# Altium PCB 电磁阀V4.0.PcbDoc (part 1 of 2) (continued)
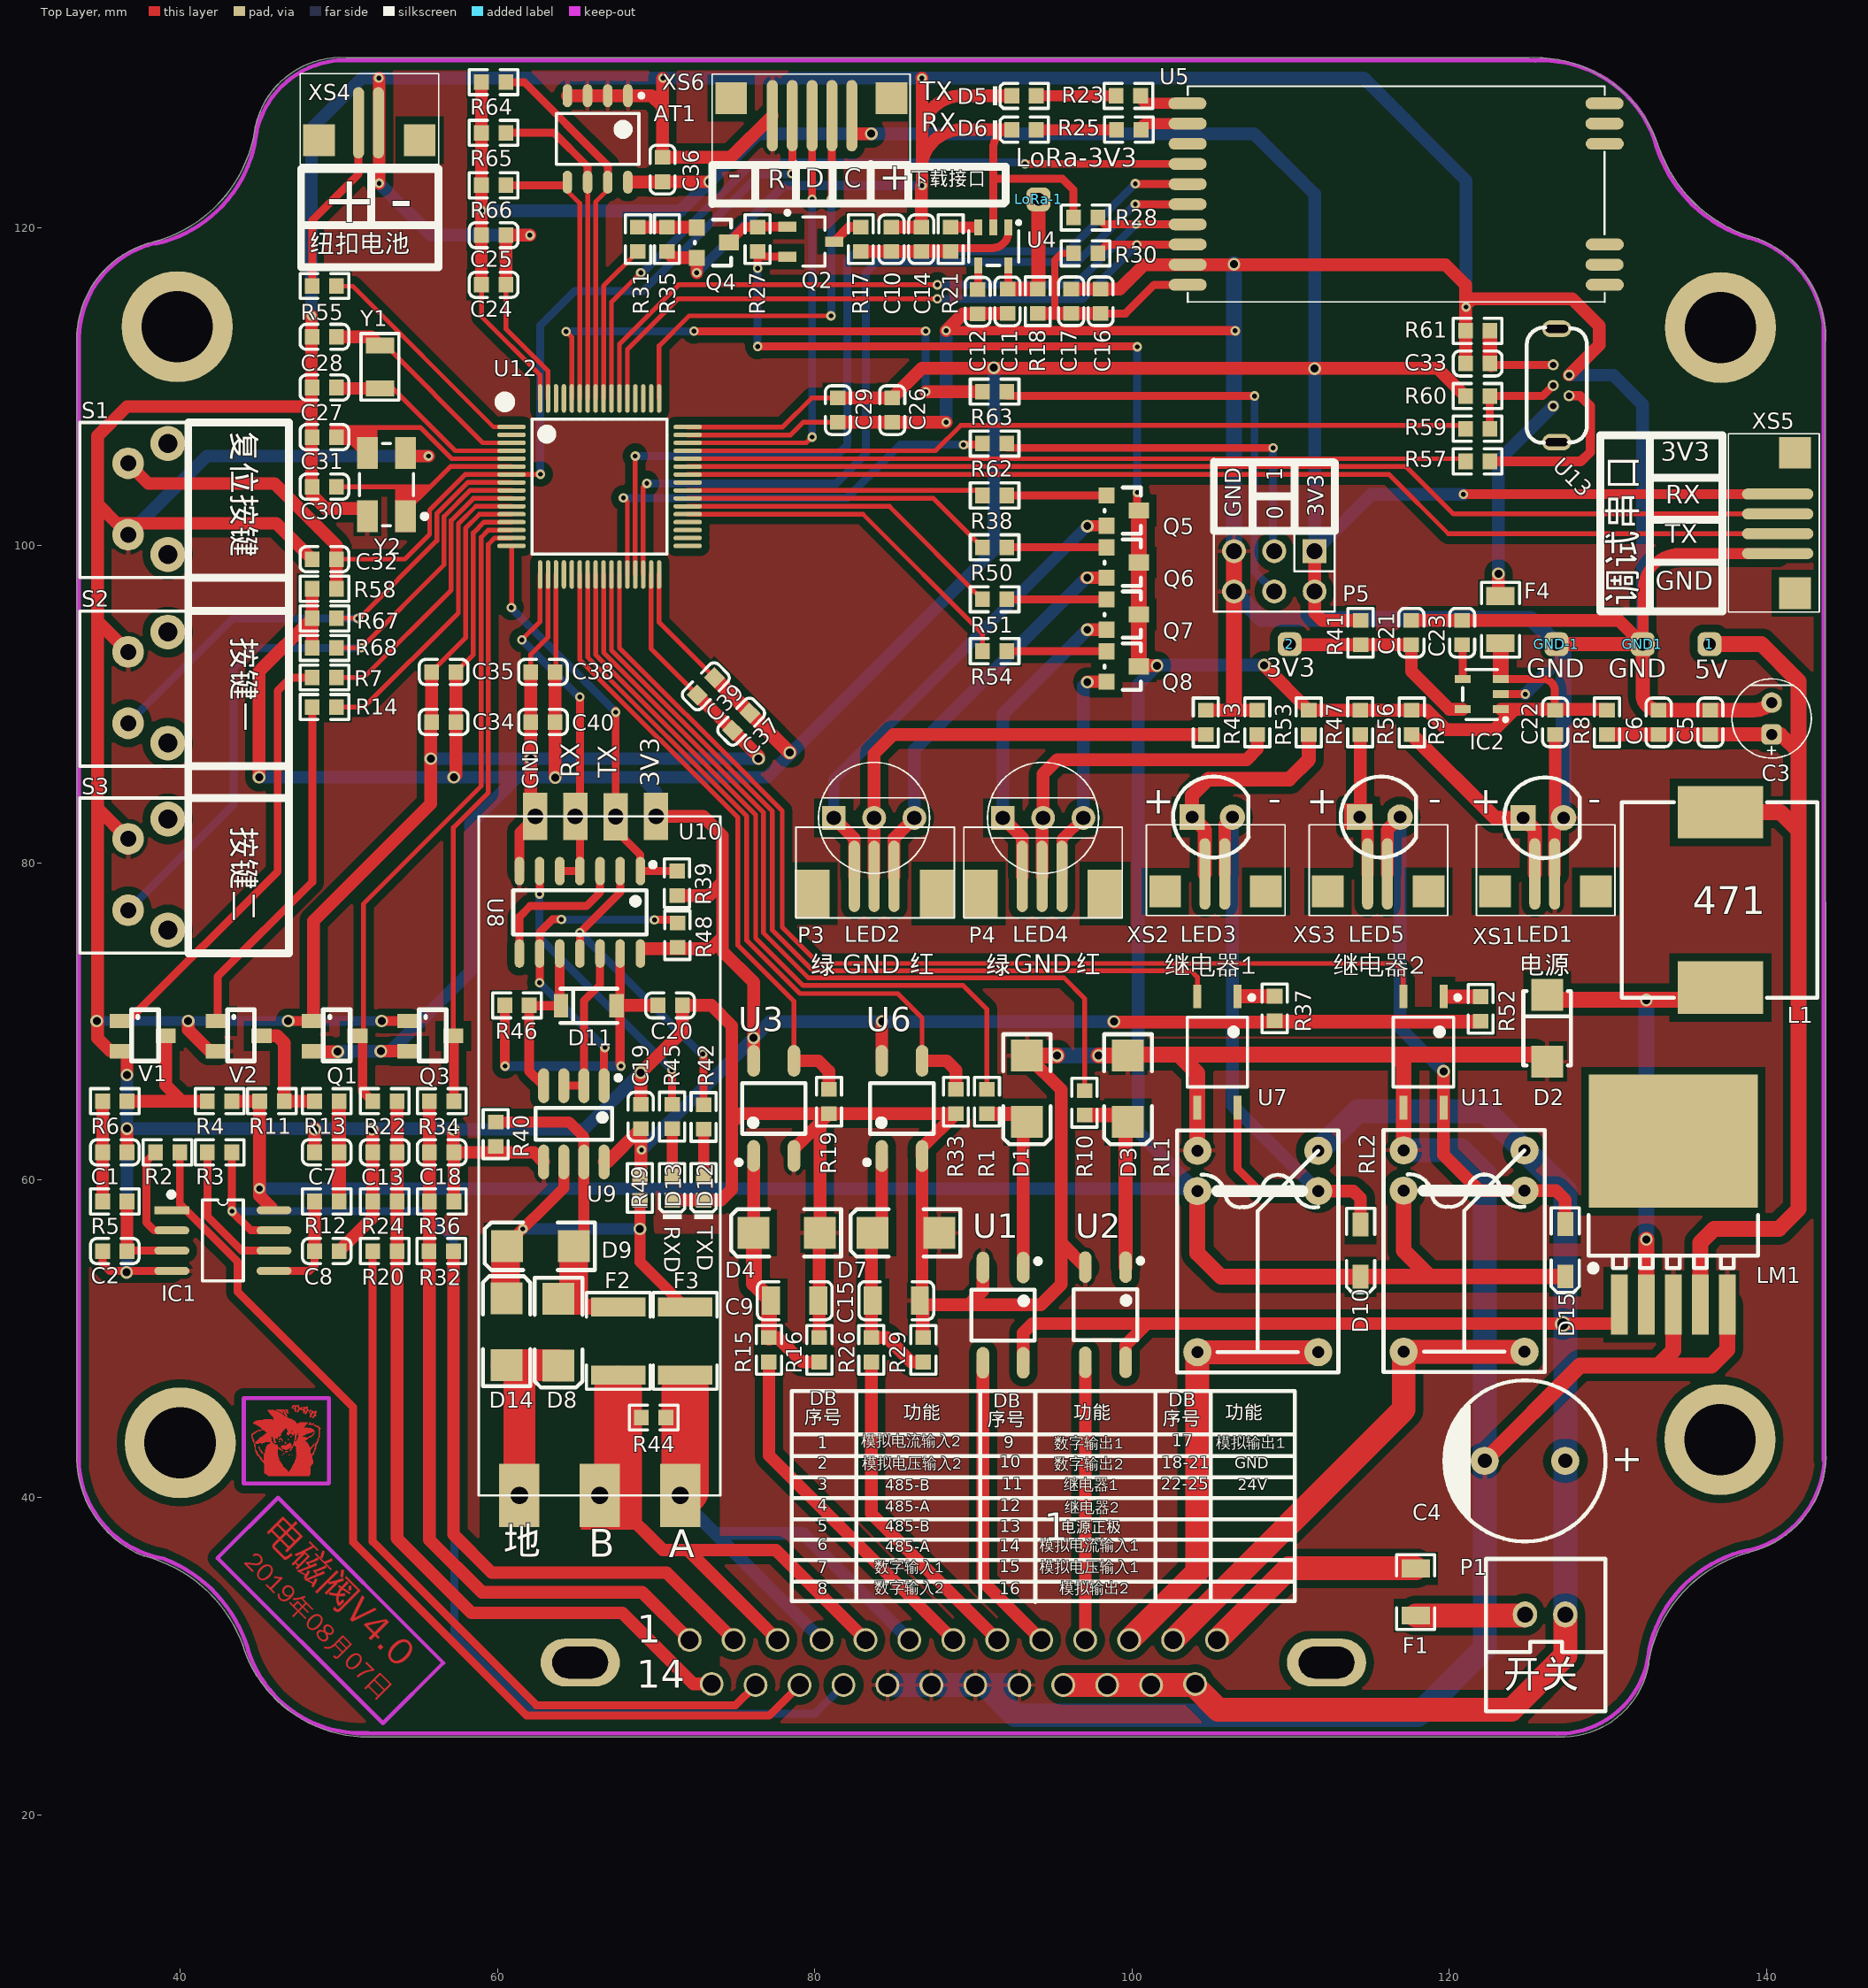
[diagram p0: Top Layer view]
## Footprints (in the part's own frame and the unit in brackets; to place one, negate y for a bottom-side part, rotate by r counter-clockwise, add the part's x,y. Pads: shape width x height; smd on the part's side, far side on the other; paste and mask are expansions set on the pad)
2Pin-2.54A [mil]
  oval 60x65 hole 39.37: 1(0,0) 2(-100.1,0)
  silkscreen extent -200,-138 97,93, body extent -198,-142 98,94, height 276
201S2X3 [mm]
  rect 1.5x1.5 hole 1: 1(0,0)
  round 1.5 hole 1: 2(0,2.54) 3(2.54,0) 4(2.54,2.54) 5(5.08,0) 6(5.08,2.54)
  silkscreen extent -1.27,-1.27 6.35,3.81, body extent -1.27,-1.23 6.35,3.77, height 8.4
3215_32.768K [mm]
  rect 1x1.8 smd: 1(-1.346,0) 2(1.346,0)
  silkscreen extent -2.08,-1.19 2.11,1.19, body extent -1.53,-0.71 1.67,0.79, height 0.86
AT24C02 [mm]
  oval 1.45x0.6 smd: 1(-2.725,1.905) 2(-2.725,0.635) 3(-2.725,-0.635) 4(-2.725,-1.905) 5(2.725,-1.905) 6(2.725,-0.635) 7(2.725,0.635) 8(2.725,1.905)
  silkscreen extent -2.85,-2.6 1.6,2.88, body extent -2,-2.6 2,2.6, height 2.65
C10X16 [mil]
  round 70 hole 35: 1(0,1) 2(-200,1)
  silkscreen extent -300,-199 100,201, body extent -297,-198 97,196, height 709
C-0603 [mm]
  rect 0.93x0.98 smd: 1(-0.77,0) 2(0.77,0)
  silkscreen extent -1.53,-0.79 1.54,0.79, body extent -0.8,-0.4 0.8,0.4, height 0.3
CAP5*X [mm]
  rrect50% 1.3x1.3 hole 0.7: 1(0,0)
  round 1.3 hole 0.7: 2(2,0)
  silkscreen extent -1.5,-2.5 3.5,2.5, body extent -1.52,-2.44 3.48,2.54, height 10.06
DB25 [mm] "DR"
  oval 5x3 hole 2 slot 3.5 at 0 deg: 0(0,0) 0(47.04,0)
  round 1.5 hole 1.15: 1(40.14,1.42) 2(37.37,1.42) 3(34.6,1.42) 4(31.83,1.42) 5(29.06,1.42) 6(26.29,1.42) 7(23.52,1.42) 8(20.75,1.42) 9(17.98,1.42) 10(15.21,1.42) 11(12.44,1.42) 12(9.67,1.42) 13(6.9,1.42) 14(38.755,-1.354) 15(35.985,-1.42) 16(33.215,-1.42) 17(30.445,-1.42) 18(27.675,-1.42) 19(24.905,-1.42) 20(22.135,-1.42) 21(19.365,-1.42) 22(16.595,-1.42) 23(13.825,-1.42) 24(11.055,-1.42) 25(8.285,-1.357)
  silkscreen extent -3.04,-16.96 50.06,3.24
DO-214AC [mm]
  rect 2x2 smd: 1(-2.049,0) 2(2.151,0)
  silkscreen extent -3.38,-1.5 3.55,1.5, body extent -2.25,-1.35 2.35,1.35, height 2.4
FUSE-1206 [mm]
  rect 1.13x1.8 smd: 1(-1.49,0) 2(1.49,0)
  silkscreen extent -2.36,-1.2 2.35,1.2, body extent -1.58,-0.83 1.63,0.83, height 0.56
HK4100F-DC5V-SHG [mil]
  round 70 hole 30: 1(0,0) 2(100,0) 3(500,0) 4(500,300) 5(100,300) 6(0,300)
  silkscreen extent -50,-50 550,350, body extent -52,-56 554,354, height 465
JXT-2 [mm] "1.27"
  rect 2x2 smd: 0(1.1,3.85) 0(1.1,-2.5)
  oval 4.5x0.7 smd: 1(0,1.25) 2(0,0)
  silkscreen extent -3.1,-3.68 2.62,5.05, body extent -1.86,-3.26 2.84,4.53, height 3.35
JXT-3-l [mm] "1.27"
  rect 3x2.2 smd: 0(1.092,5.217) 0(1.092,-2.652)
  oval 4.5x0.7 smd: 1(0,2.5) 2(0,1.25) 3(0,0)
  silkscreen extent -3.1,-3.68 2.62,6.3, body extent -1.79,-3.21 2.41,5.69, height 4.7
JXT-4 [mm]
  rect 2x2 smd: 0(1.1,-2.5) 0(1.1,6.35)
  oval 4.5x0.7 smd: 1(0,3.75) 2(0,2.5) 3(0,1.25) 4(0,0)
  silkscreen extent -3.1,-3.68 2.62,7.55, body extent -2.08,-3.27 2.62,7.02, height 3.35
JXT-5 [mm]
  rect 2x2 smd: 0(1.1,7.6) 0(1.1,-2.5)
  oval 4.5x0.7 smd: 1(0,5) 2(0,3.75) 3(0,2.5) 4(0,1.25) 5(0,0)
  silkscreen extent -3.1,-3.68 2.62,8.8, body extent -2.01,-3.26 2.69,8.28, height 3.35
KEY-7.0*7.0 [mm]
  round 2.2 hole 1.2: 0(-3.5,-1.25) 0(3.5,-1.25)
  round 2 hole 1: 1(-2.25,1.25) 2(2.25,1.25)
  silkscreen extent -4.95,-2.54 4.83,4.29
LC-0603_C [mm]
  rect 0.93x0.98 smd: 1(-0.77,0) 2(0.77,0)
  silkscreen extent -1.53,-0.79 1.54,0.79, body extent -0.8,-0.4 0.8,0.4, height 0.3
LC-0603_LED_S1 [mm]
  rect 0.93x0.98 smd: A(0.77,0) K(-0.77,0)
  silkscreen extent -1.97,-0.79 1.54,0.79, body extent -0.8,-0.4 0.8,0.4, height 0.6
LC-0603_R [mm]
  rect 0.93x0.98 smd: 1(-0.77,0) 2(0.77,0)
  silkscreen extent -1.53,-0.79 1.54,0.79, body extent -0.85,-0.4 0.85,0.4, height 0.56
LC-1206_C [mm]
  rect 1.13x1.8 smd: 1(-1.49,0) 2(1.49,0)
  silkscreen extent -2.36,-1.2 2.35,1.2, body extent -1.6,-0.81 1.6,0.79, height 1
LC-SMA(DO-214AC)_S1 [mm]
  rect 2x2 smd: 1(2.1,0) 2(-2.1,0)
  silkscreen extent -2.35,-1.5 2.35,1.5, body extent -2.35,-1.35 2.25,1.35, height 2.4
LC-SMD-5032_4P [mm]
  rect 2x1.3 smd: 1(-2,-1.2) 2(2,-1.2) 3(2,1.2) 4(-2,1.2)
  silkscreen extent -2.6,-2.55 2.6,1.7
LC-SOP-4_P2.54 [mm]
  oval 2x0.8 smd: 1(-3,1.27) 2(-3,-1.27) 3(3,-1.27) 4(3,1.27)
  silkscreen extent -3.55,-2 1.6,2.35, body extent -3.53,-1.93 3.48,1.93, height 2.1
LC-SOT-23-3L [mm] "http://www.aosmd.com/res/packaging_information/SOT-2"
  rect 1.15x0.65 smd: 1(1.475,-0.95) 2(1.475,0.95) 3(-1.475,0)
  silkscreen extent -0.9,-1.95 1.6,1.55, body extent -0.9,-1.55 0.9,1.55, height 1.25
LC-TO-263-5 [mm]
  rect 8.4x10.65 smd: 0(-10.3,0)
  rect 3.8x1.05 smd: 1(0,-3.4) 2(0,-1.7) 3(0,0) 4(0,1.7) 5(0,3.4)
  silkscreen extent -5.65,-5.35 -2.1,5.35, body extent -14.77,-5.17 -5.97,5.43, height 6
LED_5MM [mm]
  rect 1.6x1.6 hole 0.8: 1(0,0)
  round 1.6 hole 0.8: 2(2.54,0)
  silkscreen extent -1.2,-2.54 3.56,2.55, body extent -0.53,-2.03 2.97,1.77, height 6.5
LL-34 [mm]
  rect 0.9x1.5 smd: 1(1.75,0) 2(-1.75,0)
  silkscreen extent -1.8,-1.08 1.8,1.08
LQFP-64_10X10X05P [mm]
  oval 0.28x1.8 smd mask+0.051: 1(-3.75,-5.55) 2(-3.25,-5.55) 3(-2.75,-5.55) 4(-2.25,-5.55) 5(-1.75,-5.55) 6(-1.25,-5.55) 7(-0.75,-5.55) 8(-0.25,-5.55) 9(0.25,-5.55) 10(0.75,-5.55) 11(1.25,-5.55) 12(1.75,-5.55) 13(2.25,-5.55) 14(2.75,-5.55) 15(3.25,-5.55) 16(3.75,-5.55) 33(3.75,5.55) 34(3.25,5.55) 35(2.75,5.55) 36(2.25,5.55) 37(1.75,5.55) 38(1.25,5.55) 39(0.75,5.55) 40(0.25,5.55) 41(-0.25,5.55) 42(-0.75,5.55) 43(-1.25,5.55) 44(-1.75,5.55) 45(-2.25,5.55) 46(-2.75,5.55) 47(-3.25,5.55) 48(-3.75,5.55)
  oval 1.8x0.28 smd mask+0.051: 17(5.55,-3.75) 18(5.55,-3.25) 19(5.55,-2.75) 20(5.55,-2.25) 21(5.55,-1.75) 22(5.55,-1.25) 23(5.55,-0.75) 24(5.55,-0.25) 25(5.55,0.25) 26(5.55,0.75) 27(5.55,1.25) 28(5.55,1.75) 29(5.55,2.25) 30(5.55,2.75) 31(5.55,3.25) 32(5.55,3.75) 49(-5.55,3.75) 50(-5.55,3.25) 51(-5.55,2.75) 52(-5.55,2.25) 53(-5.55,1.75) 54(-5.55,1.25) 55(-5.55,0.75) 56(-5.55,0.25) 57(-5.55,-0.25) 58(-5.55,-0.75) 59(-5.55,-1.25) 60(-5.55,-1.75) 61(-5.55,-2.25) 62(-5.55,-2.75) 63(-5.55,-3.25) 64(-5.55,-3.75)
  silkscreen extent -5.48,-6.12 4.25,4.25, body extent -6,-6 6,6, height 1.6
M-KL9 [mm]
  oval 2.4x0.75 smd: 1(-0.635,0) 2(-0.619,-1.27) 3(-0.619,-2.54) 4(-0.619,-3.81) 5(-0.619,-5.08) 6(-0.619,-6.35) 7(-0.619,-7.62) 8(-0.619,-8.89) 9(-0.619,-10.16) 10(-0.619,-11.43) 11(25.67,-11.43) 12(25.654,-10.16) 13(25.67,-8.89) 14(25.67,-2.54) 15(25.654,-1.27) 16(25.654,0)
  silkscreen extent -0.62,-12.51 25.67,1.09
R-0603 [mm]
  rect 0.93x0.98 smd: 1(-0.77,0) 2(0.77,0)
  silkscreen extent -1.53,-0.79 1.54,0.79, body extent -0.85,-0.4 0.85,0.4, height 0.56
R-1812 [mm]
  rect 1.2x3.42 smd: 1(-2.15,0) 2(2.15,0)
  silkscreen extent -3.05,-2.01 3.05,2.01, body extent -2.25,-1.6 2.25,1.6, height 0.59
RS485MOD [mm] "RS485全×"
  rect 3x1.524 hole 1: 1(0,-4.05) 2(0.025,-6.59) 3(0,-9.13) 4(0,-11.66)
  rect 4x2.54 hole 1.1: 5(42.8,-12.66) 6(42.8,-7.6) 7(42.8,-2.52)
  silkscreen extent 0,-15.22 42.8,0
SMD,13.8X12.6X7MM [mm]
  rect 5.4x3.3 smd: 1(0,5.334) 2(0,-5.715)
  silkscreen extent -6.1,-6.35 6.22,5.97
SOD-123 [mm]
  rect 1.5x1 smd: 1(1.651,0) 2(-1.651,0)
  silkscreen extent -2.67,-0.89 2.67,0.89, body extent -1.85,-0.77 1.85,0.78, height 1.35
SOIC-14_150MIL [mm]
  oval 0.6x1.8 smd: 1(-3.81,-2.6) 2(-2.54,-2.6) 3(-1.27,-2.6) 4(0,-2.6) 5(1.27,-2.6) 6(2.54,-2.6) 7(3.81,-2.6) 8(3.81,2.6) 9(2.54,2.6) 10(1.27,2.6) 11(0,2.6) 12(-1.27,2.6) 13(-2.54,2.6) 14(-3.81,2.6)
  silkscreen extent -4.75,-3.15 4.2,1.4, body extent -4.27,-2.9 4.28,2.9, height 1.75
SOP8 [mm]
  rect 2.2x0.5 smd: 1(0,0)
  oval 2.2x0.5 smd: 2(0,-1.275) 3(0,-2.55) 4(0,-3.825) 5(6.44,-3.825) 6(6.44,-2.55) 7(6.44,-1.275) 8(6.44,0)
  silkscreen extent -0.22,-4.46 4.5,1.18, body extent 0.22,-4.39 6.22,0.51, height 1.7
SOP-8_150MIL [mm]
  oval 0.7x2.2 smd: 1(-1.905,-2.4) 2(-0.635,-2.4) 3(0.635,-2.4) 4(1.905,-2.4) 5(1.905,2.4) 6(0.635,2.4) 7(-0.635,2.4) 8(-1.905,2.4)
  silkscreen extent -2.95,-3.05 2.4,1, body extent -2.5,-3.1 2.5,3.1, height 1.75
SOT23-5 [mm]
  rect 0.5x1 smd: 1(0.066,-2.343) 2(1.016,-2.343) 3(1.966,-2.343) 4(1.966,0.057) 5(0.066,0.057)
  silkscreen extent -0.68,-2.74 2.57,0.06, body extent -0.43,-2.54 2.47,0.26, height 1.2
SOT-23 [mil]
  rect 40x40 smd: 1(4.88,0.63) 2(79.88,0.63)
  rect 40x50 smd: 3(41.88,80.63)
  silkscreen extent -15,-4 100,86, body extent -15,-11 99,99, height 47
SOT-23-3 [mil]
  rect 36x59.06 smd: 1(0,0) 2(74.8,0)
  rect 36x50 smd: 3(37,109)
  silkscreen extent -28,24 99,91, body extent -20,-1 94,109, height 47
TEST_POINT [mm]
  rrect50% 1.5x1.5 hole 0.8: 1(0,0)
"TLP187 - duplicate" [mm]
  rect 1.5x0.5 smd: 1(-3.5,1.27) 2(-3.5,-1.27) 3(3.5,-1.27) 4(3.5,1.27)
  silkscreen extent -3.56,-1.9 2.2,2.29, body extent -3.5,-1.93 3.5,1.92, height 2.1
"USB插座 MICRO 5P" [mm]
  round 0.7 hole 0.4: 1(-1.3,0) 2(-0.65,-1) 3(0,0) 4(0.65,-1) 5(1.3,0)
  oval 1.05x1.84 hole 0.5 slot 1.44 at 90 deg: ""(-3.575,-0.22) ""(3.575,-0.22)
  silkscreen extent -3.61,-2.11 3.66,1.68
˫ɫLED [mm]
  rect 1.5x1.5 hole 0.913: 1(0,0)
  round 1.5 hole 0.913: 2(2.54,0) 3(5.08,0)
  silkscreen extent -0.96,-3.5 6.04,3.5, body extent -0.25,-1.92 5.33,1.92, height 15.3

## Part data
1 2 GND1 GND-1 LoRa-1: library part TEST_POINT
AT1: library part AT
C1 C2 C6 C7 C8 C10 C13 C17 C18 C19 C20 C33 C36: library part "0603 100nF (104) 10% 50V", "贴"
C3: library part Ca, "直插"
C4: library part CAP_D
C5 C11 C14 C16: library part "0603 10uF (106) 10% 10V", "贴"
C9 C15: library part "1206 10nF (103) 10% 50V", "贴"
C12: library part "0603 10nF (103) 10% 50V", "贴"
C21 C22: library part "0603 1uF (105) 10% 50V", "贴"
C23: library part "0603 22nF (223) 10% 50V", "贴"
C24 C29 C34 C39 C40: library part Cap
C25 C26 C27 C28 C30 C31 C32 C35 C37 C38: library part CAP
D1 D3 D4 D7: library part "Diode 1N4001", "¶"
D2: library part "SMA(DO-214AC) SS54", "¶"
D5 D12: library part "0603 红灯", "·"
D6: library part "0603 绿灯", "·"
D8 D9 D14: library part Diode, "通Ó"
D10 D15: library part 开关二极管
D11: library part "Diode Zener", "稳Ñ"
D13: library part "0603 蓝灯", "·"
F1 F4: library part Fuse
F2 F3: library part Fuse_1, "贴片保险丝 0"
IC2: library part CAT6219, "低压差线性稳压(LDO)"
L1: "4R7¹"
LED1 LED3 LED5: "发¹"
LED2 LED4: library part LED2_
LM1: library part LM2596, "LM2596-5"
P1: library part Harder
P2: "DR25弯针"
P3 P4: library part "Header 3H", "单排插针"
P5: library part "Header 2*3"
Q1 Q3: "Ð"
Q2: "MOS(场效应管)"
Q4 Q5 Q6 Q7 Q8: "NPN贴Æ"
R1 R10 R15 R16 R26 R29: library part "0603 510Ω (5100) 1%", "Ì"
R2 R3: library part "0603 200KΩ (2003) 1%", "Ì"
R4 R11 R23 R25: library part "0603 2KΩ (2001) 1%", "Ì"
R5 R6 R12 R13 R21: library part "0603 100KΩ (1003) 1%", "Ì"
R7 R9 R14 R38 R42 R43 R45 R47 R50 R51 R53 R54 R56 R60: library part "0603 1KΩ (1001) 1%", "Ì"
R8 R17 R18 R41: library part "0603 0Ω (0R0) 1%", "Ì"
R19 R33 R39 R40 R48 R49: library part "0603 4.7KΩ (4701) 1%", "Ì"
R20 R32: library part "0603 1.2KΩ (1201) 1%", "Ì"
R22 R28 R30 R34 R35 R61 R64 R65 R66 R67 R68: library part "0603 10KΩ (1002) 1%", "Ì"
R24 R36 R44: library part "0603 120Ω (1200) 1%", "Ì"
R27: library part "0603 100KΩ (1003) 1%"
R31: library part "0603 3.3KΩ (3301) 1%", "Ì"
R37 R52: library part "0603 330Ω (3300) 1%", "Ì"
R46: library part "0603 56KΩ (5602) 1%", "Ì"
R55 R58 R62 R63: library part Res2
R57 R59: library part "0603 22Ω (22R0) 1%", "Ì"
S1 S2 S3: library part SW-PB_4, "侧脚带支架 微型按键"
U4: library part CAT6219, "CAT6219"
U5: library part M-K
U7 U11: library part Q817
U8: library part 74HC14, "6路施密Ì"
U9: "RS48"
U13: library part USB_m
V1 V2: library part NPN, "N"
XS1 XS2 XS3 XS4: library part "Header 2H", "单排插针"
XS5: library part Hea, "1.27卧式贴片针座"
XS6: library part "Header 5", "1.27卧式贴片针座"
Y1: library part CRYSTAL, "Cr"
Y2: library part "SMD-5032_4P 8MHz 20ppm 20pF", "贴"

## Free pads (board coordinates)
  round 7 hole 4.5: 0(39.827,113.792) 0(40.005,43.434) 0(137.058,43.637) 0(137.084,113.741)

## Via types
v1: diameter 0.6, hole 0.3, Top Layer to Bottom Layer, 63 vias
v2: diameter 0.8, hole 0.5, Top Layer to Bottom Layer, 41 vias
v3: diameter 1, hole 0.7, Top Layer to Bottom Layer, 1 vias
v4: diameter 0.7, hole 0.4, Top Layer to Bottom Layer, 1 vias

## Nets (pads, with @x,y where several pads share a name; then routed paths per layer and width w, separated by ;. In a path a pad name is that pad's centre, name@x,y a point inside that pad or via, vN(x,y) a via of type N, cw(c..) or ccw(c..) an arc to the next point about the centre after c; other vN are vias at no path point)
1Y: R42.2 U8.2 U8.11 | length 20.4
  Top Layer w0.5: U8.11@65.201,74.279 v1(65.201,75.589) 67.741,78.129 U8.2@67.741,79.479 ; v1(72.949,67.945) 72.998,67.895 R42.2@72.998,64.746
  Bottom Layer w0.5: v1(65.201,75.589) v1@72.897,67.893
2A: U8.3 U8.8 | length 9.4
  Top Layer w0.5: U8.8@61.391,74.279 61.391,76.598 62.059,77.267 65.607,77.267 66.471,78.13 U8.3@66.471,79.479
3.3V: AT1.8 C19.1 C24.1 C25.1 C26.1 C29.2 C34.2 C35.2 C36.2 C37.2 C38.2 C39.1 C40.1 P5.1 P5.2 Q1.2 Q3.2 R37.2 R39.2 R41.2 R48.1 R49.1 R52.2 R58.2 R60.2 R64.2 R65.2 R66.2 R67.1 R68.1 U3.4 U6.4 U8.14 U9.8 U10.1 U12.13 U12.19 U12.32 U12.48 U12.64 XS5.1 XS6.5 | length 455.5
  Top Layer w0.3: C35.2@57.387,92.024 58.486,93.123 58.486,100.796 59.161,101.471 U12.13@60.892,101.471 ; C24.1@58.996,116.434 58.996,114.435 62.692,110.739 U12.64@62.692,109.271 ; C38.2@63.643,92.024 63.692,92.074 U12.19@63.692,98.171 ; U12.32@70.192,98.171 70.192,95.156 C39.1@73.681,91.668 ; U12.48@71.992,107.471 77.981,107.471 79.815,109.304 C29.2@81.458,109.304
  Top Layer w0.6: v1(120.879,103.226) 120.895,103.242 XS5.1@140.691,103.242
  Top Layer w0.8: v2(44.983,85.395) 44.983,92.063 R67.1@48.328,95.407 ; R68.1@48.328,93.543 R67.1@48.328,95.407 ; R58.2@48.328,97.272 R67.1@48.328,95.407 ; Q1.2@48.412,68.128 48.443,68.097 v2(49.936,68.097) ; v2(52.654,68.123) 52.659,68.128 Q3.2@54.458,68.128 ; v2(57.252,85.395) 57.387,85.53 C34.2@57.387,88.875 C35.2@57.387,91.729 ; C24.1@58.996,116.434 C25.1@58.996,119.558 R66.2@58.996,122.707 R65.2@58.996,126.009 R64.2@58.996,129.21 ; C38.2@63.643,92.024 C40.1@63.643,88.875 63.643,85.379 v2(63.652,85.369) ; U9.8@66.725,61.144 66.949,61.144 C19.1@69.036,63.231 69.036,60.318 R49.1@68.985,60.268 ; AT1.8@68.478,122.903 70.384,122.903 C36.2@70.409,122.928 v2@73.381,122.928 ; 69.404,74.585 73.468,74.585 74.193,75.311 ; U10.1@69.995,82.925 72.98,82.925 74.193,81.712 74.193,78.791 ; R39.2@71.322,77.938 73.341,77.938 74.193,78.791 ; U3.4@76.149,67.516 v2(76.149,68.961) 76.149,72.466 74.193,74.422 74.193,75.311 ; C29.2@81.458,109.304 C26.1@84.887,109.304 86.758,111.176 119.255,111.176 R60.2@121.013,109.418 ; XS6.5@82.601,125.959 v2(83.566,125.959) ; U6.4@84.226,67.516 84.226,69.977 v2(84.252,70.002) ; v2@98.857,69.952 R52.2@121.903,69.952 ; R37.2@108.991,70.045 109.017,70.02 R52.2@121.971,70.02 ; P5.1@111.506,99.644 P5.2@111.506,97.104 111.506,95.758 111.988,95.276 R41.2@114.402,95.276 ; 74.193,75.311 74.193,78.791
  Top Layer w0.9: C39.1@73.681,91.668 C37.2@75.908,89.44 78.404,86.944 v2(78.428,86.944)
  Bottom Layer w0.8: v2(44.983,85.395) v2(57.252,85.395) 61.239,85.395 ; v2(49.936,68.097) 49.962,68.123 v2(52.654,68.123) 53.264,68.123 58.293,73.152 58.293,82.448 61.239,85.395 ; v1(59.004,121.107) 71.552,121.107 v2(73.381,122.936) 76.403,125.959 v2(83.566,125.959) 107.696,125.959 111.506,122.149 v2(111.506,111.15) P5.1@111.506,99.644 115.087,103.226 v1(120.879,103.226) ; v1(69.088,61.9) v2(76.149,68.961) 77.165,69.977 98.831,69.977 v2(98.857,70.002) ; U10.1@69.995,82.925 69.995,84.462 69.063,85.395 ; v2(91.288,111.201) 91.288,99.695 76.987,85.395 69.063,85.395 ; 61.239,85.395 69.063,85.395
24V: C4.1 LM1.1 P1.2 P2.22 P2.23 P2.24 P2.25 RL1.6 RL2.6 U1.4 U2.4 | length 124.1
  Top Layer w0.8: U1.4@93.142,48.486 93.142,50.368 93.726,50.952 100.94,50.952 ; U2.4@99.593,48.511 99.593,49.606 100.94,50.952 ; LM1.1@130.458,50.952 100.94,50.952
  Top Layer w1.5: P2.22@95.673,28.171 98.443,28.171 101.213,28.171 103.884,28.171 105.435,26.619 123.901,26.619 127.305,30.023 P1.2@127.305,32.614
  Bottom Layer w1.5: RL1.6@111.735,61.849 114.224,64.338 122.276,64.338 RL2.6@124.739,61.874 127.305,59.309 C4.1@127.305,42.3 P1.2@127.305,32.614
  other v3: 127.152,50.927
485RX: U8.4 U8.5 U10.3 U12.17 | length 22
  Top Layer w0.3: v1(61.544,94.056) 62.692,95.204 U12.17@62.692,98.171
  Top Layer w0.5: U8.5@63.931,79.479 U8.4@65.201,79.479 v1(65.201,90.448)
  Bottom Layer w0.5: v1(61.544,94.056) 65.152,90.448 v1(65.201,90.448)
485TX: R39.1 U8.1 U10.2 U12.16 | length 26.3
  Top Layer w0.3: v1@60.892,96.063 U12.16@60.892,99.971
  Top Layer w0.5: v1@67.455,89.612 v1(67.455,89.491) U10.2@67.455,82.9 67.455,82.049 69.011,80.494 U8.1@69.011,79.479 U8.1@69.011,79.479 R39.1@71.322,79.478
  Bottom Layer w0.5: v1(60.884,96.088) 60.884,96.063 v1(67.455,89.491)
A: F3.2 P2.4 P2.6 R44.1 U10.7 | length 34.2
  Top Layer w3: U10.7@71.83,40.43 71.83,46.787
  Bottom Layer w0.8: U10.7@71.525,40.125 71.525,39.924 73.73,37.719 ; P2.4@80.438,31.011 73.73,37.719 ; P2.6@85.978,31.011 79.27,37.719 73.73,37.719
AIN1: Q1.3 R22.2 U12.14 | length 41.3
  Top Layer w0.3: Q1.3@51.181,69.088 51.562,69.469 51.562,77.419 58.979,84.836 58.979,100.516 59.434,100.971 U12.14@60.892,100.971
  Top Layer w0.6: Q1.3@51.181,69.088 51.511,68.758 51.511,65.6 R22.2@52.138,64.973
ANI2: Q3.3 R34.2 U12.15 | length 37.7
  Top Layer w0.3: Q3.3@57.226,69.088 57.226,82.22 59.433,84.426 59.433,100.073 59.831,100.471 U12.15@60.892,100.471
  Top Layer w0.6: Q3.3@57.226,69.088 57.26,69.055 R34.2@57.26,64.973
AO1: R7.1 U12.10 | length 18.3
  Top Layer w0.3: R7.1@49.868,91.679 51.572,91.679 57.09,97.196 57.09,101.575 58.486,102.971 U12.10@60.892,102.971
AO2: R14.1 U12.11 | length 19.6
  Top Layer w0.3: R14.1@49.868,89.814 51.613,89.814 57.544,95.745 57.544,101.371 58.643,102.471 U12.11@60.892,102.471
AO-1: IC1.7 P2.17 R3.2 | length 73.8
  Top Layer w0.5: R3.2@43.264,61.747 43.264,58.031 44.47,56.825 IC1.7@45.923,56.825
  Bottom Layer w0.5: v1(43.282,58.039) 55.372,58.039 57.302,56.109 57.302,31.318 62.255,26.365 80.017,26.365 P2.17@81.823,28.171
AO-2: IC1.1 P2.16 R2.2 | length 62.6
  Top Layer w0.5: R2.2@39.988,61.747 39.988,58.488 43.637,54.839 43.637,52.959 50.902,45.695 50.902,37.186 61.849,26.238 77.12,26.238 P2.16@79.053,28.171
AT_CMD: U5.4 U12.55 | length 46
  Top Layer w0.3: U12.55@67.192,109.271 67.192,115.351 v1(69.037,117.196)
  Top Layer w0.5: v1(93.243,124.054) U5.4@103.505,124.054
  Bottom Layer w0.5: v1@69.088,117.145 76.091,124.148 93.149,124.148 v1(93.243,124.054)